# Altium PCB Apalis-Smart-Vision-Baseboard.PcbDoc (part 1 of 6) (continued)
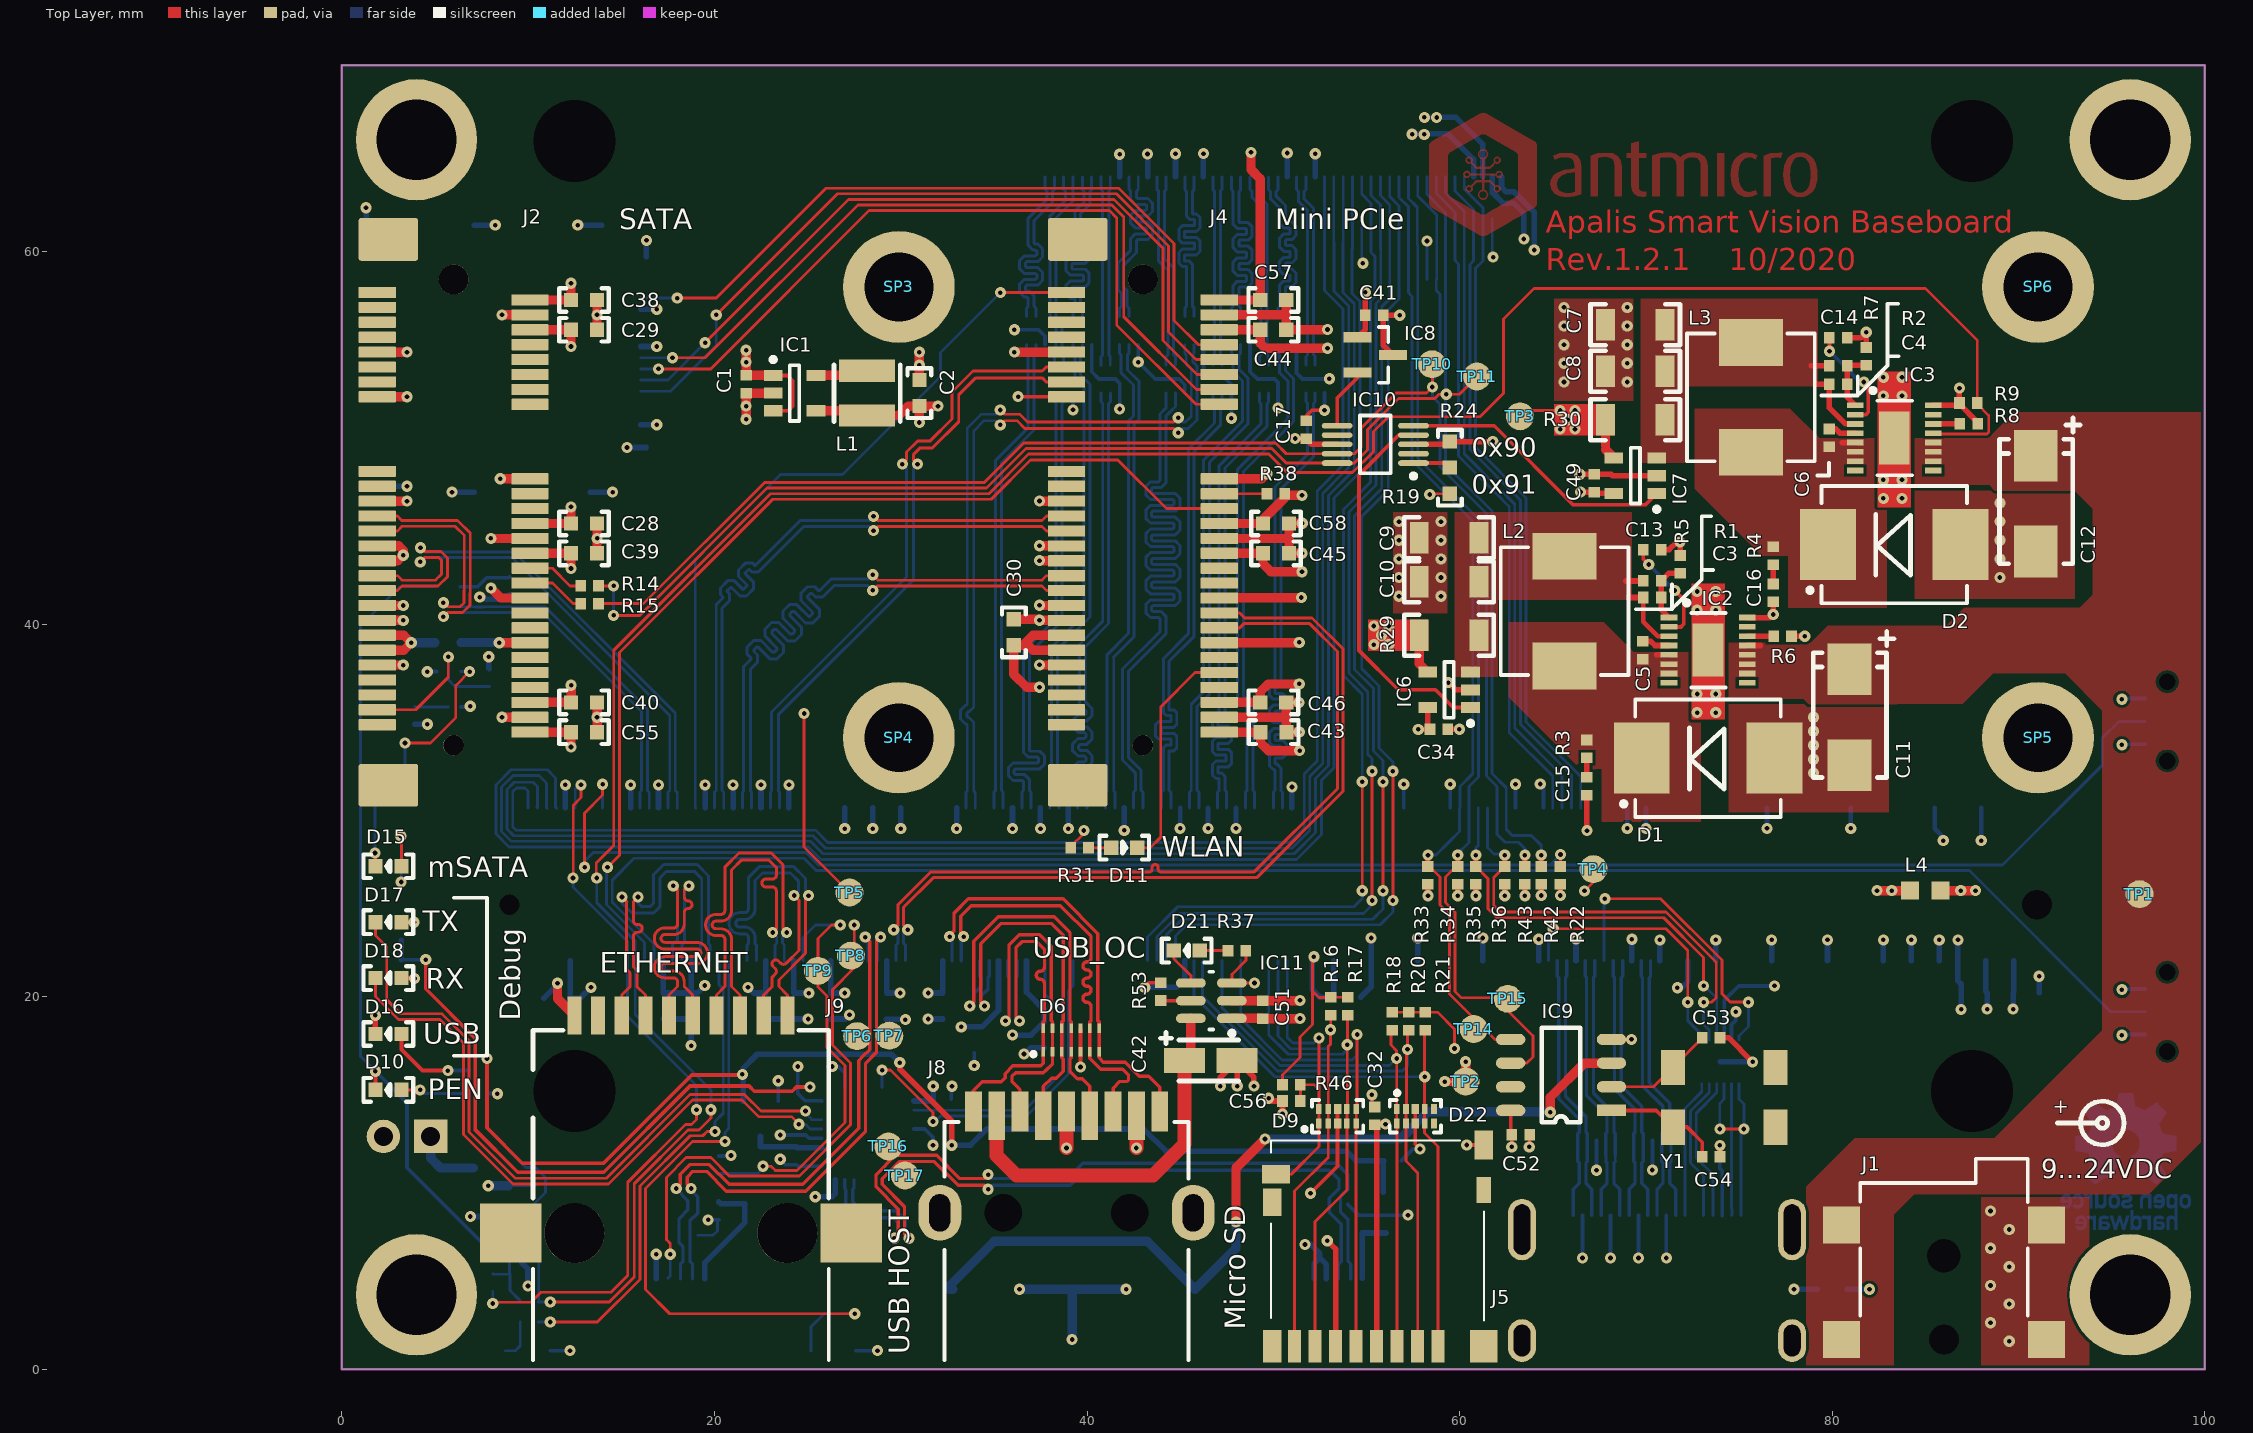
[diagram p0: Top Layer view]
## Footprints (in the part's own frame and the unit in brackets; to place one, negate y for a bottom-side part, rotate by r counter-clockwise, add the part's x,y. Pads: shape width x height; smd on the part's side, far side on the other; paste and mask are expansions set on the pad) (continued)
693021010811 [mm] "Micro SIM Push & Push Type SMT - with Card Detection - 1.25mm Height"
  rect 0.45x0.68 smd: C1(-4,-0.66) C2(-7.2,-0.66) C3(-8.4,-0.66) C4(-9.6,-0.66) C5(-4.6,-0.66) C6(-7.8,-0.66) C7(-9,-0.66) C8(-10.2,-0.66) CD(-10.8,-0.66) COM(-6.6,-0.66)
  rect 0.37x1.5 smd: SHIELD(-14.415,-9.6) SHIELD(-0.085,-9.6)
  rect 0.37x1.25 smd: SHIELD(-14.415,-3.375)
  rect 1x1.1 smd: SHIELD(-14.1,-15.4)
  rect 0.75x1.1 smd: SHIELD(-12.02,-0.35)
  rect 0.9x1.1 smd: SHIELD(-1.79,-0.35)
  rect 0.85x1.1 smd: SHIELD(-0.325,-15.4)
  rect 0.37x1.6 smd: SHIELD(-0.085,-2.74)
  silkscreen extent -14.5,-16.45 0,0, body extent -14.5,-16.58 0,0, height 1.33
694106106102 [mm] "WR-DC_DC Power Jack_Right Angled_SMT Center Pin ?2.0_Plug ID ?2.05_Plug OD ?5.5_with 4 Soldering Pag & Peg"
  rect 2x2 smd: 1(0,5.5) 1(6.15,5.5) 2(0,-5.5) 3(6.15,-5.5)
  round 1.4 hole 1.6 unplated: ""(0,0)
  round 1.6 hole 1.8 unplated: ""(4.5,0)
  silkscreen extent 1.27,-4.5 9.7,4.5, body extent -5,-6.25 9.7,6.25, height 11.05
ABS25 [mm]
  rect 1.3x1.9 smd: 1(-2.75,-1.6) 2(-2.75,1.6) M(2.75,-1.6) M(2.75,1.6)
  body extent -4,-2 4,2, height 2.7
Apalis-H [mm]
  rect 0.3x1.5 smd: 1(-40,-4.1) 2(-39.75,4.1) 3(-39.5,-4.1) 4(-39.25,4.1) 5(-39,-4.1) 6(-38.75,4.1) 7(-38.5,-4.1) 8(-38.25,4.1) 9(-38,-4.1) 10(-37.75,4.1) 11(-37.5,-4.1) 12(-37.25,4.1) 13(-37,-4.1) 14(-36.75,4.1) 15(-36.5,-4.1) 16(-36.25,4.1) 17(-36,-4.1) 18(-35.75,4.1) 23(-34.5,-4.1) 24(-34.25,4.1) 25(-34,-4.1) 26(-33.75,4.1) 27(-33.5,-4.1) 28(-33.25,4.1) 29(-33,-4.1) 30(-32.75,4.1) 31(-32.5,-4.1) 32(-32.25,4.1) 33(-32,-4.1) 34(-31.75,4.1) 35(-31.5,-4.1) 36(-31.25,4.1) 37(-31,-4.1) 38(-30.75,4.1) 39(-30.5,-4.1) 40(-30.25,4.1) 41(-30,-4.1) 42(-29.75,4.1) 43(-29.5,-4.1) 44(-29.25,4.1) 45(-29,-4.1) 46(-28.75,4.1) 47(-28.5,-4.1) 48(-28.25,4.1) 49(-28,-4.1) 50(-27.75,4.1) 51(-27.5,-4.1) 52(-27.25,4.1) 53(-27,-4.1) 54(-26.75,4.1) 55(-26.5,-4.1) 56(-26.25,4.1) 57(-26,-4.1) 58(-25.75,4.1) 59(-25.5,-4.1) 60(-25.25,4.1) 61(-25,-4.1) 62(-24.75,4.1) 63(-24.5,-4.1) 64(-24.25,4.1) 65(-24,-4.1) 66(-23.75,4.1) 67(-23.5,-4.1) 68(-23.25,4.1) 69(-23,-4.1) 70(-22.75,4.1) 71(-22.5,-4.1) 72(-22.25,4.1) 73(-22,-4.1) 74(-21.75,4.1) 75(-21.5,-4.1) 76(-21.25,4.1) 77(-21,-4.1) 78(-20.75,4.1) 79(-20.5,-4.1) 80(-20.25,4.1) 81(-20,-4.1) 82(-19.75,4.1) 83(-19.5,-4.1) 84(-19.25,4.1) 85(-19,-4.1) 86(-18.75,4.1) 87(-18.5,-4.1) 88(-18.25,4.1) 89(-18,-4.1) 90(-17.75,4.1) 91(-17.5,-4.1) 92(-17.25,4.1) 93(-17,-4.1) 94(-16.75,4.1) 95(-16.5,-4.1) 96(-16.25,4.1) 97(-16,-4.1) 98(-15.75,4.1) 99(-15.5,-4.1) 100(-15.25,4.1) 101(-15,-4.1) 102(-14.75,4.1) 103(-14.5,-4.1) 104(-14.25,4.1) 105(-14,-4.1) 106(-13.75,4.1) 107(-13.5,-4.1) 108(-13.25,4.1) 109(-13,-4.1) 110(-12.75,4.1) 111(-12.5,-4.1) 112(-12.25,4.1) 113(-12,-4.1) 114(-11.75,4.1) 115(-11.5,-4.1) 116(-11.25,4.1) 117(-11,-4.1) 118(-10.75,4.1) 119(-10.5,-4.1) 120(-10.25,4.1) 121(-10,-4.1) 122(-9.75,4.1) 123(-9.5,-4.1) 124(-9.25,4.1) 125(-9,-4.1) 126(-8.75,4.1) 127(-8.5,-4.1) 128(-8.25,4.1) 129(-8,-4.1) 130(-7.75,4.1) 131(-7.5,-4.1) 132(-7.25,4.1) 133(-7,-4.1) 134(-6.75,4.1) 135(-6.5,-4.1) 136(-6.25,4.1) 137(-6,-4.1) 138(-5.75,4.1) 139(-5.5,-4.1) 140(-5.25,4.1) 141(-5,-4.1) 142(-4.75,4.1) 143(-4.5,-4.1) 144(-4.25,4.1) 145(-4,-4.1) 146(-3.75,4.1) 147(-3.5,-4.1) 148(-3.25,4.1) 149(-3,-4.1) 150(-2.75,4.1) 151(-2.5,-4.1) 152(-2.25,4.1) 153(-2,-4.1) 154(-1.75,4.1) 155(-1.5,-4.1) 156(-1.25,4.1) 157(-1,-4.1) 158(-0.75,4.1) 159(-0.5,-4.1) 160(-0.25,4.1) 161(0,-4.1) 162(0.25,4.1) 163(0.5,-4.1) 164(0.75,4.1) 165(1,-4.1) 173(3,-4.1) 174(3.25,4.1) 175(3.5,-4.1) 176(3.75,4.1) 177(4,-4.1) 178(4.25,4.1) 179(4.5,-4.1) 180(4.75,4.1) 181(5,-4.1) 182(5.25,4.1) 183(5.5,-4.1) 184(5.75,4.1) 185(6,-4.1) 186(6.25,4.1) 187(6.5,-4.1) 188(6.75,4.1) 189(7,-4.1) 190(7.25,4.1) 191(7.5,-4.1) 192(7.75,4.1) 193(8,-4.1) 194(8.25,4.1) 195(8.5,-4.1) 196(8.75,4.1) 197(9,-4.1) 198(9.25,4.1) 199(9.5,-4.1) 200(9.75,4.1) 201(10,-4.1) 202(10.25,4.1) 203(10.5,-4.1) 204(10.75,4.1) 205(11,-4.1) 206(11.25,4.1) 207(11.5,-4.1) 208(11.75,4.1) 209(12,-4.1) 210(12.25,4.1) 211(12.5,-4.1) 212(12.75,4.1) 213(13,-4.1) 214(13.25,4.1) 215(13.5,-4.1) 216(13.75,4.1) 217(14,-4.1) 218(14.25,4.1) 219(14.5,-4.1) 220(14.75,4.1) 221(15,-4.1) 222(15.25,4.1) 223(15.5,-4.1) 224(15.75,4.1) 225(16,-4.1) 226(16.25,4.1) 227(16.5,-4.1) 228(16.75,4.1) 229(17,-4.1) 230(17.25,4.1) 231(17.5,-4.1) 232(17.75,4.1) 233(18,-4.1) 234(18.25,4.1) 235(18.5,-4.1) 236(18.75,4.1) 237(19,-4.1) 238(19.25,4.1) 239(19.5,-4.1) 240(19.75,4.1) 241(20,-4.1) 242(20.25,4.1) 243(20.5,-4.1) 244(20.75,4.1) 245(21,-4.1) 246(21.25,4.1) 247(21.5,-4.1) 248(21.75,4.1) 249(22,-4.1) 250(22.25,4.1) 251(22.5,-4.1) 252(22.75,4.1) 253(23,-4.1) 254(23.25,4.1) 255(23.5,-4.1) 256(23.75,4.1) 257(24,-4.1) 258(24.25,4.1) 259(24.5,-4.1) 260(24.75,4.1) 261(25,-4.1) 262(25.25,4.1) 263(25.5,-4.1) 264(25.75,4.1) 265(26,-4.1) 266(26.25,4.1) 267(26.5,-4.1) 268(26.75,4.1) 269(27,-4.1) 270(27.25,4.1) 271(27.5,-4.1) 272(27.75,4.1) 273(28,-4.1) 274(28.25,4.1) 275(28.5,-4.1) 276(28.75,4.1) 277(29,-4.1) 278(29.25,4.1) 279(29.5,-4.1) 280(29.75,4.1) 281(30,-4.1) 282(30.25,4.1) 283(30.5,-4.1) 284(30.75,4.1) 285(31,-4.1) 286(31.25,4.1) 287(31.5,-4.1) 288(31.75,4.1) 289(32,-4.1) 290(32.25,4.1) 291(32.5,-4.1) 292(32.75,4.1) 293(33,-4.1) 294(33.25,4.1) 295(33.5,-4.1) 296(33.75,4.1) 297(34,-4.1) 298(34.25,4.1) 299(34.5,-4.1) 300(34.75,4.1) 301(35,-4.1) 302(35.25,4.1) 303(35.5,-4.1) 304(35.75,4.1) 305(36,-4.1) 306(36.25,4.1) 307(36.5,-4.1) 308(36.75,4.1) 309(37,-4.1) 310(37.25,4.1) 311(37.5,-4.1) 312(37.75,4.1) 313(38,-4.1) 314(38.25,4.1) 315(38.5,-4.1) 316(38.75,4.1) 317(39,-4.1) 318(39.25,4.1) 319(39.5,-4.1) 320(39.75,4.1) 321(40,-4.1)
  rect 3.3x5 smd: BE1(-43.95,0) BE2(43.95,0)
  round 0.5 hole 1.1 unplated paste-1 mask-1: ""(-41,1.1)
  round 0.5 hole 1.6 unplated paste-1 mask-1: ""(41,1.1)
  body extent -44.95,-7.35 44.95,4.85, height 6.72
CON-Molex-047346-0001 [mm]
  rect 1.38x0.45 smd: 1(1.263,1.3) 2(1.263,0.65) 3(1.263,0) 4(1.263,-0.65) 5(1.263,-1.3)
  rect 1.9x2.37 smd: M(-1.397,-2.91) M(-1.397,2.91)
  rect 1.9x1.175 smd: M(-1.397,-0.837) M(-1.397,0.837)
  rect 2.1x1.4 smd: M(0.903,-2.54) M(0.903,2.794)
  silkscreen extent 2.61,1.35 2.97,1.7, body extent -3.8,-3.99 1.63,3.99, height 2.71
IHLP-2525CZ-01 [mm]
  rect 2.5x3.43 smd: 1(-2.95,0) 2(2.95,0)
  silkscreen extent -3.43,-3.43 3.43,3.43, body extent -3.53,-3.34 3.55,3.34, height 2.9
IP4791CZ12 [mm]
  oval 0.25x0.5 smd: 1(-1,-1.175) 2(-0.6,-1.175) 3(-0.2,-1.175) 4(0.2,-1.175) 5(0.6,-1.175) 6(1,-1.175) 7(1,1.175) 8(0.6,1.175) 9(0.2,1.175) 10(-0.2,1.175) 11(-0.6,1.175) 12(-1,1.175)
  rect 2.2x1.1 smd: 13(0,0)
  silkscreen extent -1.9,-1.39 1.3,1.25, body extent -1.3,-1.1 1.3,1.1, height 0.5
KEMET_A [mm] "Kemet A size package. Low desity level"
  rect 2.2x1.35 smd: 1(-1.41,0) 2(1.41,0)
  silkscreen extent -2.71,-1.1 1.49,1.5, body extent -1.81,-0.9 1.59,0.9, height 1.81
KEMET_C [mm] "Kemet C size package. Low desity level"
  rect 2.77x2.35 smd: 1(-2.57,0) 2(2.57,0)
  silkscreen extent -4.6,-1.95 3.23,2.38, body extent -3.25,-1.73 3.05,1.77, height 2.81
KEYSTONE_CR1025 [mm]
  rect 2.9x3.5 smd: +(-6.6,0) +(6.6,0)
  rrect50% 4x4 smd: -(0,0)
  silkscreen extent -4.88,-2.74 4.84,-2.06, body extent -8.05,-4.61 8.05,4, height 2.95
KPJA-2107 [mm]
  rect 0.9x1 smd: A(1.2,0) K(-1.2,0)
  silkscreen extent -0.5,-0.5 -0.38,0.5
LED0603 [mil]
  rect 30x30 smd: A(-27.5,0) K(27.5,0)
  silkscreen extent -52,-25 52,25, body extent -33,-16 31,16, height 43
LQH3NPN2R2NM [mm]
  rect 1.2x3 smd: 1(-1.2,0) 2(1.2,0)
  silkscreen extent -1.52,-1.78 1.52,1.78, body extent -1.52,-1.52 1.52,1.65, height 1.4
LT3976EMSE [mm]
  rect 0.889x0.305 smd: 1(-2.095,1.75) 2(-2.095,1.25) 3(-2.095,0.75) 4(-2.095,0.25) 8(-2.095,-1.75) 9(2.095,-1.75) 13(2.095,0.25) 14(2.095,0.75) 15(2.095,1.25) 16(2.095,1.75) SW(-2.095,-1.25) SW(-2.095,-0.75) SW(-2.095,-0.25) VIN(2.095,-1.25) VIN(2.095,-0.75) VIN(2.095,-0.25)
  rect 1.651x2.845 smd: GND(0,0)
  silkscreen extent -1.27,-2 0.95,2.66, body extent -1.65,-2.03 1.65,2.03, height 1.1
M2.5-5mm [mm] "SMT Steel Spacer, M2.5 Thread Internal, 5mm"
  round 6 / inner round 0 / far side round 0 hole 3.7 unplated paste-403.566: 1(0,0)
  body extent -2.55,-2.54 2.53,2.55, height 5
M3-3mm [mm] "SMT Steel Spacer, M3 Thread Internal, 3mm"
  round 7.4 / inner round 0 / far side round 0 hole 4.4 unplated paste-403.566: 1(0,0)
  body extent -2.99,-3 2.99,2.98, height 3
M3-8mm [mm] "SMT Steel Spacer, M3 Thread Internal, 8mm"
  round 7.4 / inner round 0 / far side round 0 hole 4.4 unplated paste-403.566: 1(0,0)
  body extent -2.99,-3 2.99,2.98, height 8
MOLEX_2223-2021 [mm] "Pinhead male 1x2 pitch 2.54mm straight"
  rect 1.8x1.8 hole 1.02: 1(-1.27,0)
  round 1.8 hole 1.02: 2(1.27,0)
  silkscreen extent -2.46,-3.25 2.46,3.1, body extent -2.49,-3.2 2.44,3.15, height 10.68
Molex_HDMI_471511001 [mm] "HEADER, RIGHT ANGLE, HDMI"
  rect 0.3x2.6 smd: 1(4.5,3.36) 2(4,3.36) 3(3.5,3.36) 4(3,3.36) 5(2.5,3.36) 6(2,3.36) 7(1.5,3.36) 8(1,3.36) 9(0.5,3.36) 10(0,3.36) 11(-0.5,3.36) 12(-1,3.36) 13(-1.5,3.36) 14(-2,3.36) 15(-2.5,3.36) 16(-3,3.36) 17(-3.5,3.36) 18(-4,3.36) 19(-4.5,3.36)
  oval 1.5x2.3 hole 0.9 slot 1.7 at 90 deg: S(-7.25,-3.36) S(7.25,-3.36)
  oval 1.5x3.3 hole 0.9 slot 2.7 at 90 deg: S(-7.25,2.6) S(7.25,2.6)
  silkscreen extent -7.6,-1.9 7.5,4.1, body extent -7.55,-8.08 7.45,4.07, height 6.28
MSOP10 [mm] "MSOP, 10-Leads, Body 3.00x3.00mm, Pitch 0.50mm, IPC Medium Density"
  oval 1.65x0.3 smd: 1(-2.05,1) 2(-2.05,0.5) 3(-2.05,0) 4(-2.05,-0.5) 5(-2.05,-1) 6(2.05,-1) 7(2.05,-0.5) 8(2.05,0) 9(2.05,0.5) 10(2.05,1)
  silkscreen extent -2.18,-1.55 0.82,1.82, body extent -1.55,-1.55 1.55,1.55, height 1.1
QFN-32 [mm] "QFN, 32-Leads, Body 5,00x5,00mm, Pitch 0,50mm, Thermal Pad 3,20x3,20mm, IPC Medium Density"
  rect 0.75x0.3 smd: 1(-2.475,1.75) 2(-2.475,1.25) 3(-2.475,0.75) 4(-2.475,0.25) 5(-2.475,-0.25) 6(-2.475,-0.75) 7(-2.475,-1.25) 8(-2.475,-1.75) 17(2.475,-1.75) 18(2.475,-1.25) 19(2.475,-0.75) 20(2.475,-0.25) 21(2.475,0.25) 22(2.475,0.75) 23(2.475,1.25) 24(2.475,1.75)
  rect 0.3x0.75 smd: 9(-1.75,-2.475) 10(-1.25,-2.475) 11(-0.75,-2.475) 12(-0.25,-2.475) 13(0.25,-2.475) 14(0.75,-2.475) 15(1.25,-2.475) 16(1.75,-2.475) 25(1.75,2.475) 26(1.25,2.475) 27(0.75,2.475) 28(0.25,2.475) 29(-0.25,2.475) 30(-0.75,2.475) 31(-1.25,2.475) 32(-1.75,2.475)
  rect 3.2x3.2 smd: 33(0,0)
  silkscreen extent -3.42,-2.65 2.65,2.65, body extent -2.5,-2.5 2.5,2.5, height 1
SGP1917N5 [mm]
  rect 0.25x0.75 smd: 1(-0.5,-0.75) 2(0,-0.75) 3(0.5,0.75) 4(0,0.75) 5(-0.5,0.75)
  body extent -0.95,-0.85 0.95,0.85, height 0.55
SMC-403-03 [mm] "SMC-403-03 package"
  rect 3x3.81 smd: A(-3.56,0) C(3.56,0)
  silkscreen extent -3.9,-3.15 4.65,3.15, body extent -4.13,-3.13 3.87,2.82, height 2.2
SOIC-8 [mil]
  rect 62x24 smd: 1(0,0)
  oval 62x24 smd: 2(0,-50) 3(0,-100) 4(0,-150) 5(213,-150) 6(213,-100) 7(213,-50) 8(213,0)
  silkscreen extent 66,-175 147,25, body extent -17,-173 227,23, height 69
SOT23-5 [mm] "SOT23, 5-Leads, Body 2,90x2,70mm, Pitch 0,95mm, IPC Medium Density"
  rect 1x0.6 smd: 1(-1.15,0.95) 2(-1.15,0) 3(-1.15,-0.95) 4(1.15,-0.95) 5(1.15,0.95)
  silkscreen extent -1.28,-1.5 0.25,1.92, body extent -0.85,-1.5 0.85,1.5, height 1.45
SOT23-5N [mm] "SOT23, 5-Leads, Body 2,90x2,70mm, Pitch 0,95mm, IPC Medium Density"
  rect 1x0.6 smd: 1(-1.15,0.95) 2(-1.15,0) 3(-1.15,-0.95) 4(1.15,-0.95) 6(1.15,0.95)
  silkscreen extent -1.27,-1.5 0.25,1.92, body extent -1.19,-1.46 1.21,1.44, height 1.1
SOT-23 [mm] "SOT23, 3-Leads, Body 2.90x2.45mm, Pitch 0.95mm, IPC Medium Density"
  rect 1.5x0.55 smd: 1(-0.95,0.95) 2(-0.95,-0.95) 3(0.95,0)
  silkscreen extent 0.2,-1.5 0.7,1.5, body extent -1.13,-1.5 1.13,1.5, height 1.21
SOT-363 [mm] "6-Leads, Body 2.00x2.10mm, Pitch 0.65mm, IPC Medium Density"
  rect 0.85x0.35 smd: 1(-0.95,0.65) 2(-0.95,0) 3(-0.95,-0.65) 4(0.95,-0.65) 5(0.95,0) 6(0.95,0.65)
  silkscreen extent -1.07,-1.1 0.15,1.5, body extent -1.15,-1.05 1.15,1.05, height 1
TL3340AF160QG [mm] "SWITCH TACT SUB MINI 160GF SMD"
  rrect20% 0.75x1.8 smd: 1(1.225,1.2) 3(-1.225,1.2)
  rrect20% 0.6x1.8 smd: 2(0,1.2)
  round 0.5 hole 0.9: 10(2.125,0) 11(-2.125,0)
  rrect20% 1.3x0.9 smd: SH1(-1.85,-1.05) SH2(1.85,-1.05)
  Top Layer pour cut-out: -1,-0.103 -1,-1.5 1,-1.5 1,-0.103
  silkscreen extent -2.25,0.75 2.25,2.07, body extent -2.25,-2.05 2.25,1.35, height 3.3
TP-R-1.5 [mm]
  round 1.5 smd: 1(0,0)
TPD2E2U06DRLR [mm]
  rect 0.65x0.3 smd: 3(-0.8,-0.5) 4(0.8,-0.5) 5(0.8,0.5)
  silkscreen extent -0.92,-0.85 0.1,1.35, body extent -0.65,-0.85 0.65,0.85, height 0.6
TPD4E05U06_PASS [mm]
  rect 0.3x0.55 smd: 1(-1,-0.385) 1(-1,0.385) 2(-0.5,-0.385) 2(-0.5,0.385) 4(0.5,-0.385) 4(0.5,0.385) 5(1,-0.385) 5(1,0.385)
  rect 0.4x0.55 smd: 3(0,-0.385) 8(0,0.385)
  silkscreen extent -1.87,-0.87 1.38,0.87, body extent -1.25,-0.5 1.25,0.51, height 0.56
TPD6E05U06_PASS [mm]
  rect 0.2x0.5 smd: 5(0.5,-0.625) 8(1.5,-0.625) 8(1.5,0.625) 9(1,-0.625) 9(1,0.625) 10(0.5,0.625) 11(0,-0.625) 11(0,0.625) 12(-0.5,-0.625) 12(-0.5,0.625) 13(-1,-0.625) 13(-1,0.625) 14(-1.5,-0.625) 14(-1.5,0.625)
  silkscreen extent -2.13,-0.86 -1.93,-0.66, body extent -1.88,-0.63 1.93,0.64, height 0.6
TSOP-6 [mm]
  oval 1.6x0.5 smd: 1(-1.1,0.95) 2(-1.1,0) 3(-1.1,-0.95) 4(1.1,-0.95) 5(1.1,0) 6(1.1,0.95)
  silkscreen extent -1.23,-1.55 0.1,1.87, body extent -0.85,-1.55 0.85,1.55, height 1.1

## Part data
BAT1: library part battery, "SMT holder for  CR1025 battery"
C1: library part C_4u7_0402, "MLCC SMT Capacitor 4.7uF 0402"
C2 C28 C29 C30 C31 C38 C39 C40 C43 C44 C45 C46 C55 C57 C58: library part C_10u_0603, "MLCC SMT Capacitor 10uF 0603"
C3 C4: library part C_10p_0402, "MLCC SMT Capacitor 10pF 0402"
C5 C6: library part C_470n_0402, "MLCC SMT Capacitor 470n 0402"
C7 C8 C9 C10: library part C_47u_1206, "MLCC SMT Capacitor 47uF 1206"
C11 C12: library part C_22u_KEMET_C, "Tantalum SMT Capacitor 22uF Case KEMET_C"
C13 C14 C36 C56 C59: library part C_10n_0402, "MLCC SMT Capacitor 10 nF 0402"
C15 C16: library part C_470p_0402, "MLCC SMT Capacitor 470pF 0402"
C17 C33 C34 C37 C41 C49 C52 C60: library part C_100n_0402, "MLCC SMT Capacitor 100n 0402"
C18 C19 C21 C22 C23 C24 C25 C26 C27 C35 C47 C48 C50: library part C_4u7_0603, "MLCC SMT Capacitor 4.7uF 0603"
C20: library part C_10u_0402, "MLCC SMT Capacitor 10uF 0402"
C32 C51: library part C_1u_0402, "MLCC SMT Capacitor 1uF 0402"
C42: library part C_100u_KEMET_A, "Tantalum SMT Capacitor 100uF Case KEMET_A"
C53 C54: library part C_6p_0402, "MLCC SMT Capacitor 6pF 0402"
D1 D2: "ON SEMICONDUCTOR  MBRS540T3G  Rectifier Diode, Single, 40 V, 5 A, 500 mV, 190 A, 150 °C"
D3: "Dual switching diode, common cathode"
D4 D10 D11 D15 D16 D17: library part LED_G, "LED Green 0603 case"
D5 D7 D9 D22: library part TPD4E05U06_PASS, "ESD Suppressors 4-CH"
D6 D12 D13 D14: library part TPD6E05U06_PASS, "ESD Suppressors 6-CH Pass through layout"
D8 D23: library part TPD2E2U06, "ESD Suppressors 2-CH"
D18 D21: library part LED_R, "LED Red 0603 case"
D19: "LED Green 0603 case"
D20: "LED Red 0603 case"
IC1: library part LM3671, "DC/DC Buck Converter"
IC2 IC3: library part LT3976, "LINEAR TECHNOLOGY  LT3976EMSE#PBF  DC-DC CONVERTER, 2MHZ, 5A, MSOP-16"
IC4: "HDMI DEVICE, ESD PROTECTION"
IC5: "USB to serial UART interface"
IC6 IC7: "Current Sense Amplifier, High Voltage, 1 Amplifier, SOT-23, 5 Pins, -40 °C, 125 °C"
IC8: library part TC1047A, "Precision Temperature-to-Voltage Converter"
IC9: "RTC timer with EEPROM and I2C interface"
IC10: library part ADS1015, "ADC 12BIT 4CH I2C"
IC11: "POWER LOAD SWITCH, HIGH SIDE"
IC12 IC13 IC14 IC15 IC16 IC17 IC18 IC19 IC20 IC21 IC22 IC23: "2-Line Common Mode Filter and Low Capacitance ESD Protection for MIPI USB"
J1: library part DC_SOCKET_2, "DC Power Jack Right Angled SMT with 4 soldering pads & pegs WR-DC"
J2 J4: library part MiniPCIExpress, "Mini PCI Express 8mm"
J3: library part SIM-8P-CD, "Micro SIM Card Connector WR-CRD, Push & Push - with Card Detection"
J5: library part Micro_SD, "Micro SD card holder"
J6: library part 1X50, "0.50mm SMT ZIF Horizontal Bottom Contact WR-FPC"
J7: library part CON-Molex-471511001, "Header right angle HDMI"
J8: library part USB_3_A, "USB 3.0 Type A Horizontal SMD WR-COM"
J9: library part RJ-45-10, "RJ-45 with Transofrmer, 10/100/1000 Base-T"
J10 J12: library part "Micro USB B", "USB - micro B Receptacle Connector 5 Position Surface Mount, Right Angle, Horizontal"
J11: library part molex_2223-2021, "Pinhead connector with key"
L1: "INDUCTOR, 2.2 µH, ± 30%, 1212, 90 MHz, 0.073 ohm"
L2 L3: library part "Inductor SMT", "VISHAY DALE  IHLP2525CZER3R3M01  Surface Mount Power Inductor, IHLP-2525CZ-01 Series, 3.3 uH,  20%, Shielded, 0.03 ohm, 6 A"
L4 L5 L6 L9: "FERRITE BEAD, 0.025OHM, 3A, 0603"
M1: library part Apalis-TK1-H, "Toradex Apalis TK1, Horizontal"
Q1 Q3: "60 V, dual N-channel Trench MOSFET"
Q2: library part PMOS, "pMOS 4.7A 20V"
R1 R2: library part R_1M_0402, "RES, 1M, 0402"
R3 R4: library part R_2R_0402, "RES, 2R, 0402"
R5: library part R_576k_0402, "RES, 576k, 0402"
R6: library part R_130k_0402, "RES, 130k, 0402"
R7: library part R_316k_0402, "RES, 316k, 0402"
R8: library part R_54k9_0402, "RES, 54k9, 0402"
R9 R10 R16 R17 R18 R20 R21 R22 R28 R38 R39 R40 R46: library part R_10k_0402, "RES, 10k, 0402"
R11 R13 R26 R27 R31 R32 R41 R44 R45: library part R_330R_0402, "RES, 330R, 0402"
R12 R14 R15: library part R_22R_0402, "RES, 22R, 0402"
R19 R24: library part R_0R_0603, "RES, 0R, 0603"
R25: library part R_0R_0402, "RES, 0R, 0402"
R29 R30: library part R_0R05_1206, "RES, 0R05, 1206"
R33 R34 R35 R36 R42 R43: library part R_4k7_0402, "RES, 4k7, 0402"
R37: library part R_470R_0402, "RES, 470R, 0402"
R53: library part R_13k_0402, "RES, 13k, 0402"
RST USR: "E-SWITCH  TL3340AF160QG  SWITCH, TACTILE SPST 50mA, SMD GULL WING"
SP1 SP2: library part WE_9774030360, "M3x3"
SP3 SP4 SP5 SP6: library part M2.5x5, "M2.5x5"
SP7 SP8: library part M3x8, "M2.5x5"
TP1 TP2 TP3 TP4 TP5 TP6 TP7 TP8 TP9 TP10 TP11 TP14 TP15 TP16 TP17: "Testpad, round, 1.5mm"
Y1: library part ABS25-32.768KHZ-6-T, "CRYSTAL, 32.768KHz, 6PF, SMD"

## Free pads (board coordinates)
  round 6.5 hole 4.3: M(4,4) M(4,66) M(96,4) M(96,66)

## Via types
v1: diameter 0.6, hole 0.25, Top Layer to Bottom Layer, tented both sides, 440 vias
v2: diameter 0.6, hole 0.25, Top Layer to Bottom Layer, 1 vias

## Nets (pads, with @x,y where several pads share a name; then routed paths per layer and width w, separated by ;. In a path a pad name is that pad's centre, name@x,y a point inside that pad or via, vN(x,y) a via of type N, cw(c..) or ccw(c..) an arc to the next point about the centre after c; other vN are vias at no path point)
5V_USB_D: C37.2 D3.1 L5.1 R13.2 | length 62.8
  Top Layer w0.2: v1(7.79,16.68) 7.79,12.96 9.69,11.06 14.048,11.06 18.788,15.8 v1@21.29,15.8
  Top Layer w0.3: v1(29.95,16.459) 29.95,16.11 32.74,13.32 v1(32.74,12.03)
  Bottom Layer w0.2: R13.2@7.78,16.033 7.78,16.67 v1(7.79,16.68)
  Bottom Layer w0.3: D3.1@21.522,14.4 21.54,14.418 21.54,16.15 22.3,16.91 29.499,16.91 v1(29.95,16.459) ; v1(32.74,12.03) 33.75,12.03 34.62,12.9 43.04,12.9 44.23,11.71 53.92,11.71 54.43,11.2 C37.2@55.9,11.2 ; L5.1@55.9,9.5 C37.2@55.9,11.2 ; C37.2@55.92,11.2 C37.2@55.9,11.2
  other v1: 21.5,15.83
+1V5: C2.2 C29.1 C39.1 C40.1 C44.1 C45.1 C46.1 IC1.4 J2.6 J2.28 J2.48 J4.6 J4.28 J4.48 L1.2 TP5.1 | length 44.5
  Top Layer w0.152: v1(24.816,35.204) 24.816,28.03 TP5.1@27.254,25.591
  Top Layer w0.5: J2.48@10.1,35.8 C40.1@12.307,35.8 v1(12.307,36.716) ; J2.28@10.1,43.8 C39.1@12.301,43.8 v1(12.301,42.986) ; J2.6@10.1,55.8 C29.1@12.301,55.8 v1(12.301,54.901) ; IC1.4@25.45,51.45 27.95,51.45 L1.2@28.2,51.2 29.9,51.2 30.401,51.701 C2.2@31,51.701 ; v1(31,50.82) C2.2@31,51.701 ; v1(32,51.7) C2.2@31,51.701 ; J4.48@47.1,35.8 C46.1@49.301,35.8 49.301,36.365 49.727,36.79 51.377,36.79 51.397,36.77 v1(51.397,36.79) ; J4.28@47.1,43.8 C45.1@49.445,43.8 49.445,43.235 49.87,42.81 51.52,42.81 51.54,42.83 v1(51.54,42.81) ; J4.6@47.1,55.8 C44.1@49.301,55.8 49.301,55.071 49.562,54.81 v1(52.91,54.81)
+3V3: C1.2 C17.1 C18.2 C19.2 C21.2 C22.2 C23.2 C24.2 C25.2 C26.2 C27.2 C28.1 C30.1 C31.1 C32.2 C35.2 C38.1 C41.1 C43.1 C47.2 C48.2 C50.2 C52.2 C55.1 C57.1 C58.1 D19.A D20.A IC1.1 IC1.3 IC4.4 IC6.4 IC8.1 IC9.8 IC10.8 J2.2 J2.24 J2.39 J2.41 J2.52 J4.2 J4.24 J4.39 J4.41 J4.52 J5.4 J6.47 J6.48 M1.10 M1.30 M1.36 M1.52 M1.58 M1.66 M1.78 M1.90 M1.102 M1.108 M1.174 M1.314 M1.320 R11.2 R16.2 R17.2 R18.2 R19.2 R20.2 R21.2 R22.2 R29.1 R31.2 R32.2 R33.2 R34.2 R35.2 R36.2 R38.2 R39.2 R40.2 R41.2 R42.2 R43.2 R46.2 TP4.1 | length 159.8
  Top Layer w0.15: R31.2@39.12,28 39.12,28.06 39.83,28.77 v1(39.83,28.92) ; R46.2@50.495,15.273 50.495,15.805 51.436,16.746 51.436,17.836 52.11,18.51 52.11,20.29 ; v1(52.18,22.14) 52.11,22.07 52.11,20.29 ; R17.2@53.99,19.97 R16.2@53.08,19.97 53.06,19.95 52.45,19.95 52.11,20.29 ; R18.2@56.38,19.16 R20.2@57.265,19.16 R21.2@58.15,19.16 58.8,19.16 58.81,19.17 59.73,18.25 v1(59.73,17.22) ; v1(58.4,46.96) 58.442,47.002 R19.2@59.475,47.002
  Top Layer w0.152: v1(66.7,25.679) 67.183,26.162 TP4.1@67.183,26.848
  Top Layer w0.2: IC1.3@23.15,51.45 23.95,51.45 24.2,51.7 24.2,53.055 23.905,53.35 IC1.1@23.15,53.35 ; IC9.8@62.74,13.895 62.74,12.64 C52.2@62.8,12.58 v1(62.8,11.94)
  Top Layer w0.3: v1(51.17,49.96) 51.75,49.96 C17.1@51.76,49.95 52.064,49.646 IC10.8@53.425,49.646 ; IC8.1@54.521,55.4 54.945,55.824 C41.1@54.945,56.575 54.945,57.802 v1(54.94,57.807) ; C32.2@55.3,13.12 55.545,12.875 J5.4@55.545,1.226 ; C32.2@55.45,13.12 55.98,13.12 v1(56.02,13.16) ; v1(58.3,25.42) R33.2@58.3,26.03 ; v1(59.904,25.42) R34.2@59.904,26.03 ; v1(60.872,25.42) R35.2@60.872,26.03 ; v1(62.423,25.42) R36.2@62.423,26.03 ; v1(63.506,25.42) R43.2@63.506,26.03 ; v1(64.38,25.43) R42.2@64.38,26.04 ; v1(65.41,25.43) R22.2@65.41,26.04
  Top Layer w0.5: J2.41@1.9,38.6 3.325,38.6 v1(3.725,39) 3.325,39.4 J2.39@1.9,39.4 ; J2.52@10.1,34.2 C55.1@12.301,34.2 12.301,33.401 v1(12.3,33.4) ; J2.24@10.1,45.4 C28.1@12.301,45.4 v1(12.301,46.293) ; J2.2@10.1,57.4 C38.1@12.301,57.4 v1(12.301,58.299) ; v1(21.7,54.7) C1.2@21.7,53.355 23.145,53.355 IC1.1@23.15,53.35 ; v1@37.32,36.61 36.76,36.61 36.07,37.3 C30.1@36.07,38.861 36.56,38.861 36.698,39 ; J4.41@38.9,38.6 37.099,38.6 36.698,39 ; J4.39@38.9,39.4 37.098,39.4 36.698,39 ; J4.52@47.1,34.2 C43.1@49.317,34.2 49.317,33.635 49.742,33.21 51.392,33.21 51.412,33.23 v1(51.412,33.21) ; J4.24@47.1,45.4 C58.1@49.445,45.4 49.445,45.621 50.623,46.799 R38.2@50.623,47 50.713,46.91 v1@51.51,46.91 ; J4.2@47.1,57.4 C57.1@49.302,57.4 49.302,63.898 48.8,64.4 v1(48.8,65.32) ; R29.1@57.835,39.4 57.835,37.871 IC6.4@58.285,37.421
  Bottom Layer w0.15: v1(3.18,26.16) 3.19,26.17 R32.2@3.19,27.02
  Bottom Layer w0.2: R11.2@7.78,14.8 8.34,14.8 v1(8.35,14.79) ; D20.A@11.185,1 v1(12.25,1) ; D19.A@27.585,1 v1(28.75,1) ; IC4.4@74.2,17.675 74.2,19.79 74.99,20.58 v1(76.9,20.58)
  Bottom Layer w0.3: R39.2@3.91,34.63 4.581,34.63 v1(4.591,34.62) ; v1(7.4,41.45) 7.634,41.45 7.751,41.333 8.763,41.333 R41.2@9,41.57 ; v1(7.89,38.25) 7.89,37.64 R40.2@7.92,37.61 ; M1.10@12.25,21.936 12.25,19.927 C21.2@12.248,19.925 12.8,19.925 v1(13.375,20.5) ; M1.30@17.25,21.936 C22.2@17.25,20.198 C23.2@18.75,20.198 ; M1.36@18.75,21.936 C23.2@18.75,20.198 ; v1(19.485,20.6) 19.083,20.198 C23.2@18.75,20.198 ; v1(21.8,20.5) 22.102,20.198 C24.2@22.75,20.198 M1.52@22.75,21.936 ; M1.58@24.25,21.936 C25.2@24.25,20.198 25.062,20.198 v1(25.07,20.19) ; M1.66@26.25,21.936 C26.2@26.25,20.198 v1(27,20.198) ; M1.78@29.25,21.936 C27.2@29.25,20.198 v1(29.97,20.198) ; v1(31.47,20.2) v1(31.47,20.2) C48.2@32.25,20.198 M1.90@32.25,21.936 ; v1(33.25,18.379) C35.2@33.95,18.379 34.358,18.379 35.25,19.27 M1.102@35.25,21.936 ; v1@35.96,17.95 35.97,17.94 36.993,17.94 C50.2@37.7,18.647 37.7,19.3 36.75,20.25 M1.108@36.75,21.936 ; v1(52.18,22.14) 52.09,22.05 52.09,20.39 52.51,19.97 C47.2@53.292,19.97 ; M1.174@53.25,21.936 53.25,20.011 C47.2@53.295,20.007 ; v1(57.452,66.296) 57.373,66.296 57.35,66.319 59.381,66.319 60.75,64.95 J6.47@60.75,64.01 ; v1(58.109,67.199) 59.801,67.199 61.25,65.75 J6.48@61.25,64.01 ; M1.314@88.25,21.936 88.25,20.282 C18.2@88.316,20.216 v1(88.316,19.335) ; v1(89.713,19.332) C19.2@89.713,20.216 89.75,20.253 M1.320@89.75,21.936
  Bottom Layer w0.5: v1(3.725,39) 4.989,39 C31.1@5.001,39.012
  other v1: 36,17.95 37.45,36.61 55.4,38.9 56.2,38.9 55.8,39.4 55.4,39.9 56.2,39.9 51.54,46.91 21.7,54.064 58.102,66.287 58.765,67.19
+3V3_SW: C3.1 C9.2 C10.2 IC2.3 IC6.3 L2.2 R1.1 R29.2 | length 4.7
  Top Layer w0.254: C3.1@69.855,41.427 69.855,40.13 70.635,39.35 IC2.3@71.24,39.35
  Top Layer w0.3: 68.934,42.316 R1.1@69.855,42.316 ; 69.073,41.427 C3.1@69.855,41.427
+5V0: C34.1 C49.1 C51.2 D3.2 IC4.5 IC6.5 IC7.4 IC7.5 IC11.1 IC11.3 J6.49 J6.50 Q2.2 R10.2 R30.1 R37.2 TP3.1 | length 29.5
  Top Layer w0.15: R37.2@48.53,22.475 48.53,21.955 47.775,21.2 IC11.3@47.775,20.735 v1(48.99,20.735)
  Top Layer w0.152: TP3.1@63.246,51.156 63.558,51.468 v1(65.397,51.468)
  Top Layer w0.3: v1(57.78,34.35) C34.1@58.41,34.35 58.285,34.475 IC6.5@58.285,35.521 IC6.5@58.284,35.52 ; v1(66.49,47.088) C49.1@67.232,47.088 67.302,47.018 IC7.5@68.282,47.018
  Top Layer w0.5: IC11.1@47.775,18.835 49.41,18.835 C51.2@49.425,18.82 51.47,18.82 v1@51.48,18.83 ; 67.832,49.368 IC7.4@68.282,48.918 ; 67.832,49.568 R30.1@67.832,50.968
  Bottom Layer w0.15: Q2.2@8.95,9.85 8.97,9.87 R10.2@10.4,9.87
  Bottom Layer w0.2: D3.2@23.422,14.4 23.422,15.482 v1(23.43,15.49) ; IC4.5@74.6,17.675 74.6,18.51 74.83,18.74 v1(74.83,19.19)
  Bottom Layer w0.3: J6.49@61.75,64.01 61.75,63.181 62.331,62.6 62.888,62.6 63.453,62.036 v1(63.453,60.669) ; J6.50@62.25,64.01 62.25,63.453 62.503,63.2 62.932,63.2 64,62.132 64,60.095 v1(64.01,60.085)
  Bottom Layer w0.5: v1(7.855,9.85) Q2.2@8.95,9.85
  other v1: 51.436,18.83 65.397,50.468 66.197,50.468 65.797,50.968 66.197,51.468
+5V0_SW: C4.1 C7.2 C8.2 IC3.3 IC7.3 L3.2 R2.1 R30.2 | length 4.7
  Top Layer w0.3: 78.882,53.868 R2.1@79.852,53.868 ; 79.132,52.868 C4.1@79.852,52.868 79.852,51.608 80.715,50.745 IC3.3@81.236,50.745
+VIN: C11.1 C12.1 IC2.13 IC2.VIN IC3.VIN J1.1 TP1.1 | length 0.7
  Top Layer w0.3: IC2.13@75.431,38.85 76.129,38.85
ADDR: IC10.1 R19.1 R24.2 | length 2.1
  Top Layer w0.2: IC10.1@57.525,48.646 59.228,48.646 R19.1@59.475,48.399
AGND: C18.1 C19.1 L4.2 M1.303 M1.304 M1.308 M1.313 | length 11.4
  Top Layer w0.5: L4.2@85.815,25.693 v1(87.693,25.693)
  Bottom Layer w0.254: M1.303@85.5,30.136 85.5,29.01 85.96,28.55 v1(85.96,28.38) ; v1(88,28.38) M1.313@88,30.136
  Bottom Layer w0.3: M1.304@85.75,21.936 v1(85.75,23.05) ; v1(86.75,23.05) M1.308@86.75,21.936 86.75,20.85 86.919,20.681 C18.1@86.919,20.216 v1(86.919,19.319) ; C19.1@91.11,20.216 v1(91.11,21.1)
  other v1: 86.9,25.693
CEC: IC4.12 J7.13 | length 7.4
  Bottom Layer w0.15: J7.13@72.1,8.26 72.1,14.001 73,14.901 IC4.12@73,15.325
CSI1_CLK_C_N: IC23.1 J6.28 | length 10.4
  Bottom Layer w0.16: J6.28@51.25,64.01 51.25,63.33 51.345,63.235 51.345,62.695 51.845,62.195 51.845,54.455 51.75,54.36 IC23.1@51.75,53.9
CSI1_CLK_C_P: IC23.2 J6.29 | length 10.4
  Bottom Layer w0.16: J6.29@51.75,64.01 51.75,63.33 51.655,63.235 51.655,62.823 52.155,62.323 52.155,54.455 52.25,54.36 IC23.2@52.25,53.9